# Altium PCB A33.PcbDoc (part 3 of 3)
Units mil, origin at the board's own origin, x right, y up, seen from the top; angles counter-clockwise.
Board outline 7899.31 x 8282.76 mil, 4 copper layers (TOP, GND02, PWR03, BOTTOM), stack 38.4 mil thick; 39 components, 64 nets, 546 pads, 403 vias.
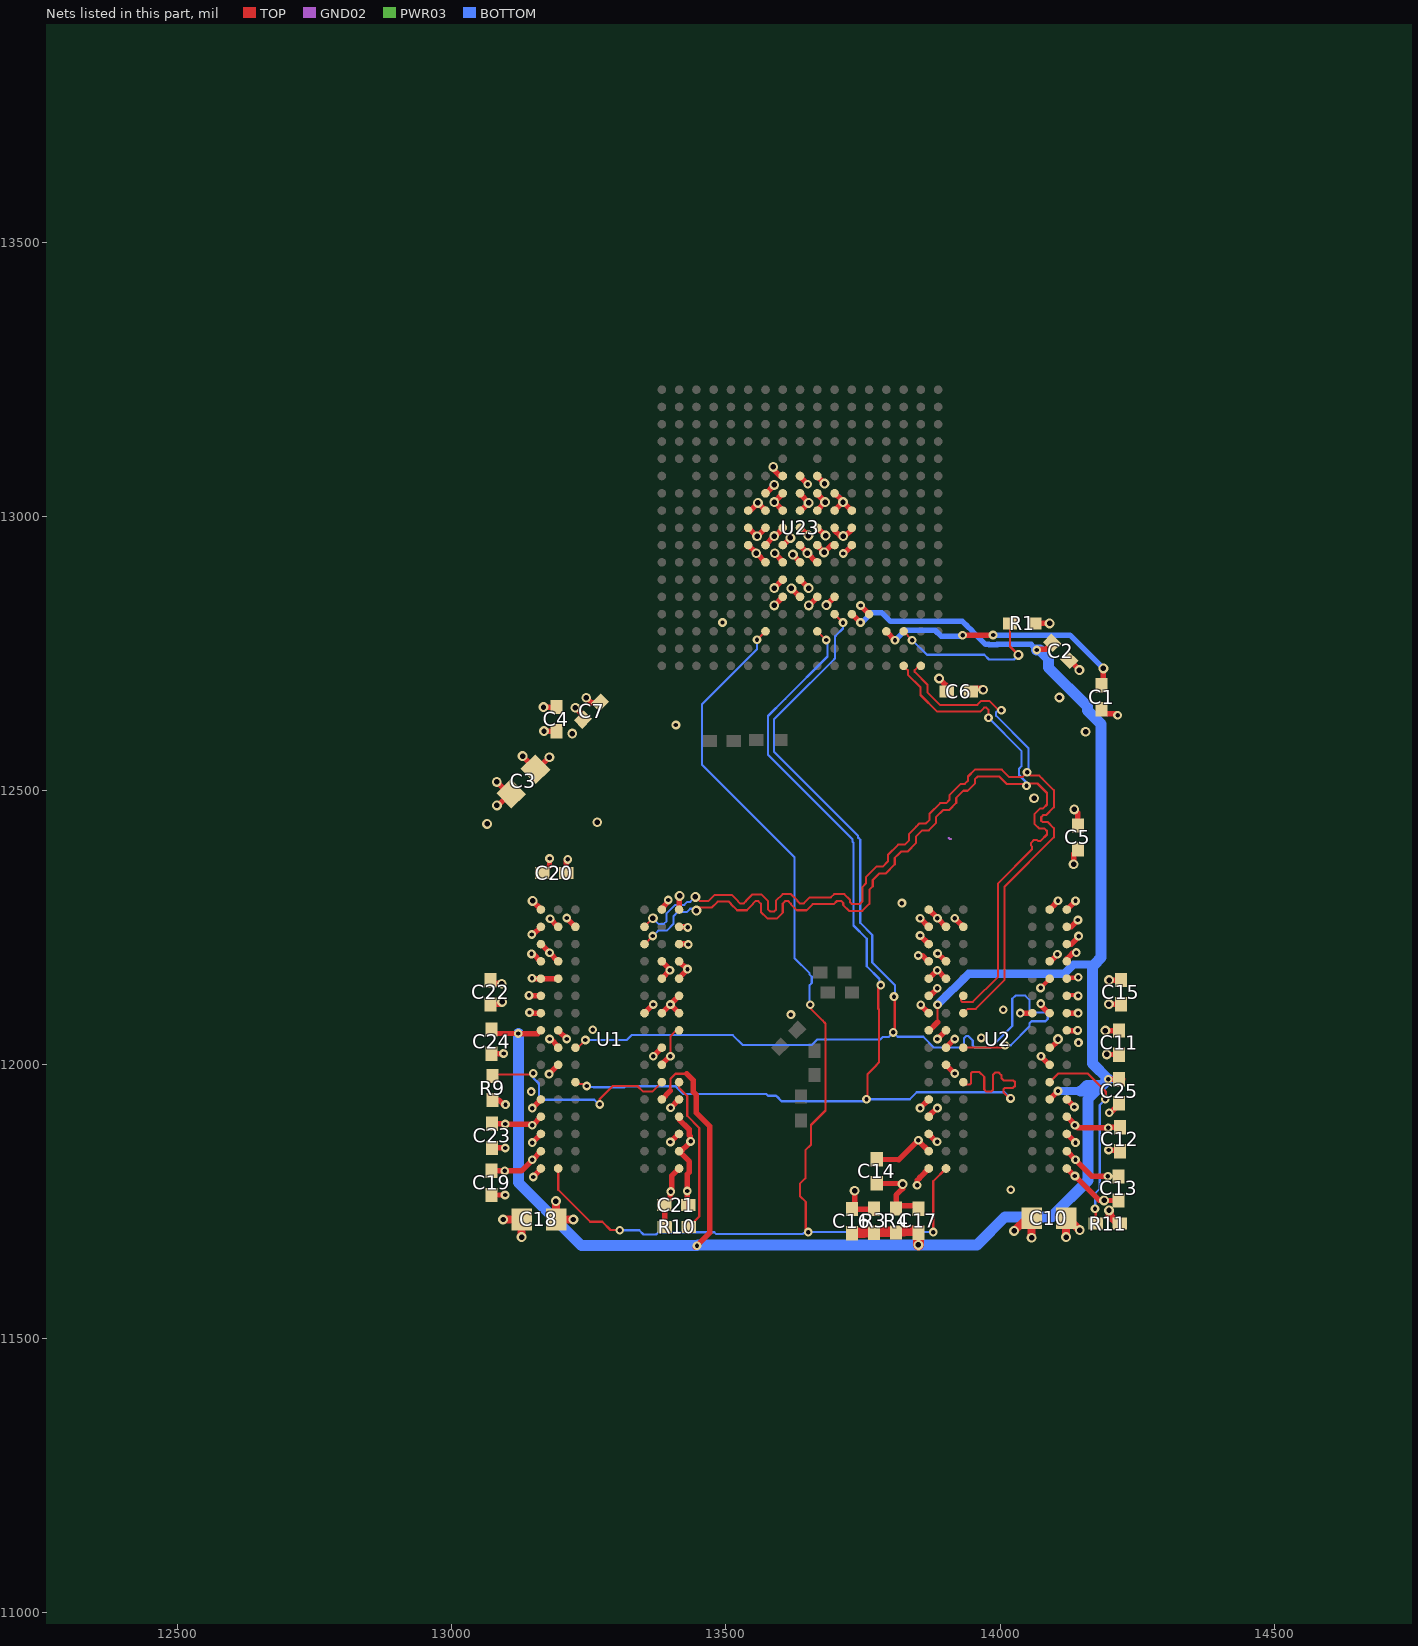
[diagram p5: the nets of this part, all layers, seen from the top]

## Via types
v1: diameter 16, hole 8, TOP to BOTTOM, 320 vias
v2: diameter 18, hole 10, TOP to BOTTOM, 83 vias

## Nets (pads, with @x,y where several pads share a name; then routed paths per layer and width w, separated by ;. In a path a pad name is that pad's centre, name@x,y a point inside that pad or via, vN(x,y) a via of type N, cw(c..) or ccw(c..) an arc to the next point about the centre after c; other vN are vias at no path point) (continued)
DQS1: U1.C7 U2.F3 U23.R1 | length 1918.8
  TOP w3.7: U1.C7@13351.35,12220.31 13351.83,12220.31 v1(13366.49,12234.98) ; v2(13445.89,12281.28) 13451.26,12286.66 13473.6,12286.66 13484.68,12297.74 13505.45,12297.74 13509.15,12294.04 13509.15,12293.05 13520.17,12282.03 13537.92,12282.03 13548.95,12293.05 13548.95,12294.04 13553.52,12298.61 13559.17,12298.61 13563.75,12294.04 13563.75,12285.95 13563.75,12278.89 13575.46,12267.18 13593.23,12267.18 13603.55,12277.5 13603.55,12294.04 13608.44,12298.93 13613.45,12298.93 13618.35,12294.04 13618.35,12293.05 13629.37,12282.03 13647.12,12282.03 13658.15,12293.05 13696.68,12293.05 13702.5,12298.86 13710.64,12298.86 13713.96,12295.54 13713.96,12291.37 13724.47,12280.86 13748.9,12280.86 13761.71,12293.67 13761.71,12319.62 13767.76,12325.67 13767.76,12337.2 13779.67,12349.11 13791.2,12349.11 13807.89,12365.81 13807.89,12377.71 13814.67,12384.48 13819.43,12389.24 13831.33,12389.24 13846.5,12404.41 13846.5,12416.32 13858.04,12427.85 13869.94,12427.85 13883.5,12441.41 13883.5,12452.46 13895.9,12464.85 13896.53,12464.85 13906.94,12464.85 13920.13,12478.04 13920.13,12486.95 13933.25,12500.07 13941.05,12500.07 13954.07,12513.09 13954.07,12520.89 13959.26,12526.08 13998.22,12526.08 14011.89,12512.41 14045.23,12512.41 v1(14048.31,12509.33) ; U23.R1@13824.04,12727.82 13831.65,12720.21 13831.65,12711.93 13854.82,12688.76 13854.82,12674.74 13885.19,12644.38 13963.97,12644.38 13971.2,12651.6 13975.07,12651.6 13978.89,12647.78 v1(13978.89,12633.06) ; U2.F3@13932.93,12125.83 13928.74,12121.64 13928.74,12117 13931.04,12114.7 13950.55,12114.7 13995.99,12160.14 13995.99,12330.56 14058.37,12392.94 14058.37,12398.18 14056.71,12399.84 14056.71,12405.07 14061.94,12410.31 14067.17,12410.31 14068.84,12408.64 14074.07,12408.64 14085.63,12420.2 14085.63,12426.63 14081.44,12430.82 14071.92,12430.82 14062.7,12440.04 14062.7,12457.28 14073.47,12468.05 14078.7,12468.05 14085.63,12474.98 14085.63,12496.02 14068.38,12513.26 14052.24,12513.26 v1(14048.31,12509.33) ; v1@14048.31,12508.28 v1(14048.31,12509.33)
  BOTTOM w3.7: v1(13366.49,12234.98) 13376.34,12244.83 13391.99,12244.83 13404.2,12257.03 13404.2,12271.17 13412.26,12279.24 13429.16,12279.24 13434.69,12284.77 13442.4,12284.77 v2(13445.89,12281.28) ; v1(13978.89,12633.06) 14039.06,12572.89 14039.06,12544.54 14034.55,12540.03 14034.55,12528.8 14048.31,12515.04 v1(14048.31,12509.33)
DQS1N: U1.B7 U2.G3 U23.T1 | length 1931.6
  TOP w3.7: U1.B7@13351.35,12251.81 13351.35,12252.48 13366.03,12267.16 13366.36,12267.16 v2(13366.65,12267.45) ; v2@13444.09,12306.48 13451.41,12299.16 13468.42,12299.16 13479.5,12310.24 13510.62,12310.24 13521.65,12299.22 13521.65,12298.23 13525.35,12294.53 13532.75,12294.53 13536.45,12298.23 13536.45,12299.22 13548.34,12311.11 13564.35,12311.11 13576.25,12299.21 13576.25,12284.07 13580.64,12279.68 13588.05,12279.68 13591.05,12282.67 13591.05,12299.22 13603.26,12311.43 13618.63,12311.43 13630.85,12299.22 13630.85,12298.23 13634.55,12294.53 13641.95,12294.53 13652.97,12305.55 13691.51,12305.55 13697.32,12311.36 13715.82,12311.36 13726.46,12300.72 13726.46,12296.55 13729.65,12293.36 13743.72,12293.36 13749.21,12298.84 13749.21,12324.8 13755.26,12330.85 13755.26,12336.08 13755.26,12342.38 13774.5,12361.61 13786.02,12361.61 13795.39,12370.98 13795.39,12382.89 13814.25,12401.74 13826.15,12401.74 13834,12409.59 13834,12421.49 13846.97,12434.46 13852.86,12440.35 13864.76,12440.35 13871,12446.59 13871,12457.63 13890.72,12477.35 13896.53,12477.35 13901.76,12477.35 13907.63,12483.22 13907.63,12492.13 13924.04,12508.54 13928.07,12512.57 13935.88,12512.57 13941.57,12518.26 13941.57,12526.07 13954.08,12538.58 14003.4,12538.58 14017.07,12524.91 14040.43,12524.91 v1(14049.4,12533.88) 14055.62,12527.65 14071.67,12527.65 14077.22,12522.1 14098.13,12501.19 14098.13,12469.8 14083.87,12455.55 14078.65,12455.55 14075.2,12452.1 14075.2,12445.22 14077.1,12443.32 14086.61,12443.32 14098.13,12431.81 14098.13,12415.02 14008.49,12325.38 14008.49,12154.96 13955.73,12102.2 13940.8,12102.2 U2.G3@13932.93,12094.33 ; U23.T1@13855.53,12727.82 13851.76,12727.82 13844.15,12720.21 13844.15,12717.11 13867.32,12693.94 13867.32,12679.92 13890.36,12656.88 13958.8,12656.88 13966.02,12664.1 13980.25,12664.1 13995.64,12648.71 14000.94,12648.71 v1(14002.55,12647.11)
  BOTTOM w3.7: v2(13366.65,12267.45) 13376.77,12257.33 13386.81,12257.33 13391.7,12262.21 13391.7,12276.35 13407.09,12291.74 13423.98,12291.74 13429.52,12297.27 13434.84,12297.27 v2(13444.04,12306.48) ; v1(14002.55,12647.11) 13996.25,12647.11 13992.74,12643.59 13992.74,12636.89 14051.56,12578.07 14051.56,12539.36 14049.4,12537.2 v1(14049.4,12533.88)
DRAS: U1.J3 U2.J3 U23.L4 | length 2126.7
  TOP w4: U1.J3@13225.37,12031.34 13229.53,12031.34 v1(13243.53,12045.34) ; U23.L4@13698.05,12822.31 v1(13713.52,12806.84) ; v1(13805.08,12059.16) 13805.08,12062.51 13807.84,12065.27 13807.84,12123.1 v1(13806.47,12124.47) ; U2.J3@13932.93,12031.34 14004.87,12031.35 v1(14009.18,12035.65)
  BOTTOM w4: v1(13243.53,12045.34) 13262.97,12045.34 13263.1,12045.47 13318.79,12045.47 13327.53,12054.21 13512.48,12054.21 13530.43,12036.26 13656.65,12036.26 13666.53,12046.14 13781.2,12046.14 13785.56,12050.5 13796.41,12050.5 v1(13805.08,12059.16) 13813.15,12051.09 13859.74,12051.09 13879.48,12031.35 13930.17,12031.35 13934.17,12035.35 13934.17,12048.67 13938.17,12052.67 13941.88,12052.67 13950.17,12044.38 13950.17,12035.35 13954.17,12031.35 13982.71,12031.35 14022.29,12070.93 14022.29,12120.42 14028.08,12126.22 14045.89,12126.22 14053.51,12118.59 14053.51,12099.44 14057.51,12095.44 14082.89,12095.44 14086.89,12091.44 14086.89,12083.44 14082.89,12079.44 14057.51,12079.44 14053.51,12075.44 14053.51,12069.76 14019.41,12035.65 v1(14009.18,12035.65) ; v1(13713.52,12806.84) 13713.52,12796.19 13700.23,12782.9 13700.23,12782.73 13699.06,12781.55 13699.06,12777.32 13698.83,12777.09 13698.83,12741.62 13697.36,12740.16 13697.36,12740.11 13612.92,12655.66 13612.87,12655.66 13587.63,12630.43 13587.63,12571.22 13740.79,12418.06 13740.79,12414.64 13744.79,12410.64 13744.79,12259.08 13767.01,12236.86 13767.01,12186.52 13808.44,12145.09 13808.44,12127.53 13807,12126.09 13807,12125 v1(13806.47,12124.47)
DRST: U1.T2 U2.T2 U23.G3 | length 2154.7
  TOP w4: U1.T2@13193.87,11810.86 13193.87,11772.13 13252.38,11713.62 13274.28,11713.62 13289.16,11698.74 13305.61,11698.74 v1(13306.24,11698.11) ; v1@13557.75,12775.34 v1(13556.6,12775.34) U23.G3@13572.07,12790.81 ; v1(13649.95,11694.8) 13645.61,11699.14 13645.61,11749.96 13634.76,11760.81 13634.76,11782.8 13644.84,11792.88 13644.84,11844.1 13655.19,11854.45 13655.19,11890.19 13681.49,11916.49 13681.49,12074.98 13680.77,12075.7 13680.77,12076.25 13676.77,12080.25 13676.77,12080.53 13654.77,12102.53 13654.77,12105.11 13653.82,12106.06 v1(13653.82,12109.68) ; v1(13878.28,11694.8) 13878.28,11787.72 U2.T2@13901.43,11810.87
  BOTTOM w4: v1(13306.24,11698.11) 13341.76,11698.11 13349.57,11690.3 13372.38,11690.3 13376.66,11694.58 13478.61,11694.58 13482.04,11691.15 13640.09,11691.15 13641.9,11692.96 13648.11,11692.96 v1(13649.95,11694.8) v1(13878.28,11694.8) ; v1(13556.6,12775.34) 13556.6,12758.45 13456.19,12658.04 13456.19,12547.64 13624.79,12379.03 13624.79,12194.88 13652.6,12167.08 13652.6,12164.55 13656.44,12160.71 13656.44,12149.11 13652.6,12145.27 13652.6,12110.91 v1(13653.82,12109.68)
DVREF: C2.2 C16.1 C17.2 C24.2 C25.2 R3.1 R4.2 U1.H1 U1.M8 U2.H1 U2.M8 U23.M4 | length 4210.7
  TOP w4: U1.M8@13382.85,11936.85 13382.85,11936.99 13398.28,11952.42 13398.28,11961.89 13398.87,11962.48 13398.87,11974.75 13407.94,11983.82 13428.18,11983.82 ; U23.M4@13729.55,12822.31 13744.59,12807.27 v1@13745.16,12807.27 ; R3.1@13769.95,11693.57 13810.14,11698.57 R4.2@13810.48,11693.91 13850.67,11698.91 C17.2@13851.01,11693.57 ; U2.H1@13869.94,12062.84 13884.77,12077.67 13886.03,12077.67 v1(13886.03,12109.67)
  TOP w10: C24.2@13072.35,12064.25 13079.44,12057.16 v1(13121.03,12057.16) 13121.46,12056.73 13156.27,12056.73 U1.H1@13162.38,12062.83 ; U1.M8@13382.85,11936.85 13398.28,11952.27 13398.28,11952.42 ; 13428.18,11983.82 13439.85,11972.15 13439.85,11950.88 13440.53,11950.2 13446.1,11944.62 13446.1,11912.17 13470.73,11887.53 13470.73,11693.69 v1(13447.03,11669.98) v1@13443.78,11666.74 ; U23.M4@13729.55,12822.31 13730.12,12822.31 13745.16,12807.27 v1(13745.49,12806.94) ; U2.H1@13869.94,12062.84 13871.2,12062.84 13886.03,12077.67 ; v1(14066.81,12756.87) 14068.34,12758.4 14083.56,12758.4 C2.2@14094.94,12769.78 ; U2.M8@14090.41,11936.85 v1(14105.72,11952.17) ; v1(14197.47,11973.71) 14223.9,11973.71 C25.2@14217.33,11973.85
  TOP w20: C16.1@13729.74,11692.88 13850.33,11697.88 C17.2@13851.01,11693.57 v2(13851.01,11671.57)
  BOTTOM w10: v1(13745.49,12806.94) 13748.05,12806.94 13765.67,12824.57 13784.54,12824.57 13800.23,12808.87 13931.51,12808.87 13938.63,12801.75 13939.15,12801.75 13949.69,12791.21 13949.69,12790.69 13973.46,12766.92 13979.19,12766.92 13979.85,12766.26 13994.68,12766.26 13995.34,12766.92 14056.76,12766.92 v1(14066.81,12756.87)
  BOTTOM w15: v1(13886.03,12109.67) 13942.47,12166.11 14116.84,12166.11 14133.89,12183.16 14172.04,12183.16 ; v1(14105.72,11952.17) 14146.42,11952.17 ; v1(14197.47,11973.71) v1@14197.47,11975.34
  BOTTOM w20: 13121.03,11882.57 13121.03,11785.61 13236.66,11669.98 v1(13447.03,11669.98) 13448.51,11671.46 v2@13851.12,11671.46 ; 13121.04,11882.58 13121.04,11901.56 v1(13121.03,12057.16) ; v2(13851.01,11671.57) v2@13851.12,11671.46 ; v1(14066.81,12756.87) 14072.63,12756.87 14088.59,12740.9 14088.59,12724.5 14159.5,12653.6 14159.5,12646.6 14184.55,12621.55 14184.55,12195.67 14172.04,12183.16 14168.88,12180 14168.88,12002.3 v1(14197.47,11973.71) 14186.01,11962.26 ; 14146.42,11952.17 14148.64,11952.17 14158.73,11962.26 14186.01,11962.26 ; v2@13851.12,11671.46 13957.99,11671.46 14009.29,11722.77 14094.21,11722.77 14160.64,11789.19 14160.64,11938.04 14184.36,11961.76 14185.52,11961.76 14186.01,11962.26
DWE: U1.L3 U2.L3 U23.K3 | length 2066.5
  TOP w4: v1(13245.76,11961.28) 13244.78,11962.25 13243.75,11962.25 13243.05,11962.95 13242.47,11962.95 13240.54,11964.89 13228.83,11964.89 U1.L3@13227.55,11966.17 ; U23.K3@13666.56,12790.81 13680.83,12776.54 13681.27,12776.54 v1(13682.81,12775) ; v1(13756.27,11937.19) 13758.22,11939.14 13758.22,11983.07 13774.87,11999.73 13774.87,12000.36 13779.2,12004.68 13779.2,12100.81 13777.93,12102.08 13777.93,12141.21 v1(13782.24,12145.52) ; U2.L3@13932.93,11968.35 13937.1,11964.18 13944.56,11964.18 13946.97,11966.58 13946.97,11984.56 13949.31,11986.89 13962.24,11986.89 13971.16,11977.97 13971.16,11954.94 13975.02,11951.08 13983.47,11951.08 13987.16,11954.77 13987.16,11981.82 13991.16,11985.82 13997.78,11985.82 14002.39,11981.21 14002.39,11975.86 14006.88,11971.38 14024.31,11971.38 14027.14,11968.55 14027.14,11961.45 14023.34,11957.66 14008.6,11957.66 14006.5,11955.55 14006.5,11949.52 14017.23,11938.8 v1@14019.22,11938.8 ; v1@14019.23,11938.79 v1(14019.3,11938.79) ; U1.L3@13227.55,11966.17 U1.L3@13225.37,11968.34 U1.L3@13227.55,11966.17
  BOTTOM w4: v1(13245.76,11961.28) 13246.74,11961.28 13248.59,11959.42 13258.02,11959.42 13258.2,11959.25 13314.58,11959.25 13316.07,11960.74 13407.73,11960.74 13421.52,11946.95 13573,11946.95 13576.5,11943.45 13591.2,11943.45 13592.6,11942.05 13593.02,11942.05 13601.37,11933.7 13624.56,11933.7 13624.98,11934.12 13644.87,11934.12 13645.29,11933.7 13752.78,11933.7 v1(13756.27,11937.19) 13835.24,11937.19 13848.11,11950.07 14008.02,11950.07 v1(14019.3,11938.79) ; v1(13682.81,12775) 13685.36,12772.45 13685.36,12745.08 13607.95,12667.66 13607.9,12667.66 13576.65,12636.42 13576.65,12625.11 13576.41,12624.88 13576.41,12566.16 13730.79,12411.78 13730.79,12407 13732.79,12405 13732.79,12254.11 13756.97,12229.93 13756.97,12179.59 13780.07,12156.48 13780.07,12147.69 v1(13782.24,12145.52)
DZQ: R1.2 U23.R3 | length 298.4
  TOP w3.7: U23.R3@13824.04,12790.81 13839.21,12775.64 13839.21,12775.07 v1(13839.58,12774.7)
  TOP w4: R1.2@14018.23,12805.45 14018.23,12763.23 v2(14033.58,12747.88)
  BOTTOM w4: v1(13839.58,12774.7) 13839.98,12774.7 13866.67,12748.01 13971.4,12748.01 13979.77,12739.64 14025.35,12739.64 v2(14033.58,12747.88)
GND: C1.1 C2.1 C3.1 C4.1 C5.1 C6.1 C7.1 C10.1 C11.1 C12.1 C13.2 C14.2 C15.2 C17.1 C18.1 C19.1 C20.1 C21.2 C22.2 C23.2 C24.1 C25.1 R1.1 R4.1 R9.1 R10.1 R11.1 U1.A9 U1.B1 U1.B3 U1.B9 U1.D1 U1.D8 U1.E1 U1.E2 U1.E8 U1.F9 U1.G1 U1.G8 U1.G9 U1.J2 U1.J8 U1.M1 U1.M9 U1.P1 U1.P9 U1.T1 U1.T9 U2.A9 U2.B1 U2.B3 U2.B9 U2.D1 U2.D8 U2.E1 U2.E2 U2.E8 U2.F9 U2.G1 U2.G8 U2.G9 U2.J2 U2.J8 U2.M1 U2.M9 U2.P1 U2.P9 U2.T1 U2.T9 U23.F8 U23.F9 U23.F10 U23.G7 U23.G8 U23.G9 U23.G10 U23.G11 U23.H7 U23.H8 U23.H9 U23.H10 U23.H11 U23.H12 U23.J7 U23.J8 U23.J9 U23.J10 U23.J11 U23.J12 U23.K7 U23.K8 U23.K9 U23.K10 U23.K11 U23.K12 U23.L8 U23.L9 U23.L10 U23.L11 U23.M8 U23.M9 U23.M10 U23.N4 | length 3159.8
  TOP w3.7: v1(13745.53,12837.94) 13745.53,12837.59 13760.81,12822.31 U23.N4@13761.04,12822.31
  TOP w4: v1(13146.63,11858.12) U1.P1@13162.38,11873.86 ; v1@13148.18,12094.33 U1.G1@13162.38,12094.33 ; v1(13178.13,12047.09) U1.J2@13193.87,12031.34 U1.J2@13193.87,12033.75 ; v1(13367.1,12015.6) U1.J8@13382.85,12031.34 ; U1.G8@13382.85,12094.33 v1(13398.59,12110.08) ; 13400.84,11797.36 U1.T9@13414.35,11810.86 ; U1.M9@13412.91,11935.42 U1.M9@13414.35,11936.85 ; U23.F9@13540.57,12979.79 U23.F9@13541.13,12979.79 ; U23.F10@13544.51,13011.29 13545.27,13011.29 v2@13558.31,13024.33 ; v2(13558.31,13025.1) v2@13558.31,13024.33 ; U23.G10@13572.07,13011.29 13569.54,13011.29 13558.31,13022.51 v2@13558.31,13024.33 ; v2(13588.09,13026.76) 13603.56,13042.23 U23.H11@13603.56,13042.78 ; U23.J8@13635.06,12947.19 U23.J8@13635.06,12948.3 ; U23.J9@13635.06,12979.79 U23.J9@13636.2,12979.79 ; U23.J11@13635.06,13042.78 13635.06,13040.9 U23.J11@13636.56,13039.4 ; U23.K12@13666.56,13073.5 U23.K12@13666.56,13074.28 ; v1(13848.63,11780.27) 13851.79,11783.43 13851.79,11792.72 13853.6,11794.53 ; 13853.6,11793.94 13869.94,11810.28 U2.T1@13869.94,11810.87 ; v1@13856.81,12107.46 U2.G1@13869.94,12094.33 ; U2.E1@13869.94,12157.33 U2.E1@13870.2,12157.33 ; U2.D8@14090.41,12188.82 U2.D8@14091.83,12188.82 ; U2.T9@14121.9,11810.87 14122.83,11810.87 v1(14136.53,11797.17) ; U2.P9@14121.9,11873.86 v1(14137.64,11858.12) ; U2.F9@14121.9,12125.83 U2.F9@14125.79,12125.83 ; R11.1@14214.88,11710.53 14214.98,11710.43 R11.1@14218.47,11710.43 ; U1.P9@13413.29,11873.86 U1.P9@13414.35,11873.86 U1.P9@13413.29,11873.86
  TOP w8: v1(14073.96,12140.3) 14090.41,12156.74 U2.E8@14090.41,12157.33 ; U2.F9@14121.9,12125.83 U2.F9@14125.78,12125.82 ; U2.F9@14125.79,12125.83 14127.37,12127.41 14140.79,12127.41 v1(14142.38,12125.82)
  TOP w10: C22.2@13070.7,12110.27 13086.33,12110.27 13090.73,12114.67 v2(13091.44,12114.67) ; C24.1@13072.35,12020.25 13093.89,12020.25 v1(13094.24,12020.59) ; C19.1@13072.42,11762.51 v1(13097.02,11762.51) ; C23.2@13073.14,11848.3 v1(13097.14,11848.3) ; R9.1@13073.82,11935.62 13085.57,11935.62 13093.7,11927.48 v1(13097.82,11927.48) ; v2(13128.76,12563.17) 13130.29,12561.64 13130.29,12561.5 C3.1@13152.48,12539.26 C3.1@13152.48,12539.26 13154.94,12539.26 13176.74,12561.05 v2(13177.7,12561.05) ; v1(13141.54,12095.52) 13146.99,12095.52 13148.17,12094.34 U1.G1@13162.38,12094.33 ; v1(13145.2,12202.35) 13146.63,12202.35 13147.76,12201.22 13149.37,12201.22 13161.77,12188.82 U1.D1@13162.38,12188.82 ; v1(13145.66,12237.71) 13148.28,12237.71 U1.B1@13162.38,12251.81 ; v1(13146.01,12158.15) 13146.78,12157.38 U1.E1@13162.43,12157.38 ; v1(13146.63,11858.12) U1.P1@13162.38,11873.86 ; v1(13146.63,11921.12) U1.M1@13162.38,11936.85 ; v1(13148.34,11795.42) 13149.55,11796.62 13149.55,11796.74 13162.38,11809.57 U1.T1@13162.38,11810.86 ; U1.E1@13162.38,12157.32 U1.E1@13162.43,12157.38 ; C20.1@13164.65,12349.73 13178,12363.08 13178,12376.37 v1(13178.12,12376.5) ; v2(13167.03,12652.78) C4.1@13190.73,12652.78 ; v1(13178.13,12047.09) 13180.53,12047.09 U1.J2@13193.87,12033.75 ; U1.E2@13193.87,12157.32 13184.73,12157.32 13184.67,12157.38 U1.E1@13162.43,12157.38 ; v1(13209.41,12267.91) 13209.41,12267.7 13225.3,12251.81 U1.B3@13225.37,12251.81 ; v2(13225.37,12651.51) 13239.07,12637.81 C7.1@13239.07,12629.85 ; v1(13367.1,12015.6) U1.J8@13382.85,12031.34 ; U1.G8@13382.85,12094.33 13406.51,12117.99 ; U1.E8@13382.85,12157.32 13382.85,12157.8 v1(13397.65,12172.6) ; U1.D8@13382.85,12188.82 13397.65,12174.02 v1(13397.65,12172.6) ; C21.2@13387.87,11744.1 13398.59,11754.83 13398.59,11755.45 ; R10.1@13388.09,11704.12 13388.09,11743.46 C21.2@13387.35,11744.2 13398.59,11755.45 ; v1@13397.09,12172.6 v1(13397.65,12172.6) ; v1(13398.59,11859.16) U1.P9@13413.29,11873.86 ; v1@13399.72,11923.36 13399.72,11922.33 v1(13398.88,11921.49) 13398.99,11921.49 U1.M9@13412.91,11935.42 ; U1.G9@13414.35,12094.33 v1(13398.59,12110.08) 13406.51,12118 ; U1.F9@13414.35,12125.82 13406.51,12118 ; U1.B9@13414.35,12251.81 13427.11,12251.81 13428.18,12250.74 v1(13430.36,12250.74) ; U1.A9@13414.35,12283.31 13414.35,12305.11 13415.36,12306.13 13415.36,12308.14 v2(13415.45,12308.24) ; U1.T9@13415.14,11811.67 U1.T9@13414.35,11810.86 13400.84,11797.37 13400.84,11770.46 v1(13399.09,11768.71) 13399.09,11763.92 13398.59,11763.42 13398.59,11755.45 ; U23.F8@13540.57,12948.3 13540.57,12948.18 v2(13555.29,12933.46) 13571.95,12916.8 U23.G7@13572.07,12916.8 ; U23.F10@13540.57,13011.29 13544.51,13011.29 v2(13558.31,13025.1) U23.G10@13572.07,13011.29 U23.G10@13572.07,13011.29 ; U23.F9@13541.13,12979.79 v2(13556.6,12964.32) U23.G9@13572.07,12979.79 ; U23.G8@13572.07,12948.3 13572.07,12948.71 v2(13587.94,12964.58) 13589.21,12964.58 13590.3,12965.68 13591.07,12965.68 13603.56,12978.17 U23.H9@13603.56,12979.79 ; U23.G11@13572.07,13042.78 13572.77,13042.78 v2(13588.06,13058.08) ; v2(13586.16,13091.01) 13586.16,13086.95 13598.84,13074.28 U23.H12@13603.56,13074.28 ; v2(13589.02,12933.27) 13603.56,12918.72 U23.H7@13603.56,12916.8 ; U23.H8@13603.56,12948.3 13604.54,12948.3 v2(13617.6,12961.36) ; U23.H10@13603.56,13011.29 v2(13588.09,13026.76) 13603.56,13042.23 U23.H11@13603.56,13042.78 ; v2(13622,12930.84) 13635.06,12917.78 U23.J7@13635.06,12916.8 ; U23.J8@13634.3,12948.73 13634.3,12947.95 13635.06,12947.19 v2(13648.61,12933.65) 13665.45,12916.8 U23.K7@13666.56,12916.8 ; U23.J10@13635.06,13011.29 13637.05,13011.29 v2(13650.86,13025.1) ; U23.J12@13635.06,13074.28 13635.06,13073.5 v1(13649.36,13059.2) ; U23.J9@13636.18,12980.59 13636.18,12979.81 v2(13650.48,12965.51) ; U23.K8@13664.67,12950.04 13664.67,12949.26 U23.K8@13666.56,12947.37 ; U23.K12@13665.42,13075.41 13665.42,13074.63 13666.56,13073.5 v2(13679.72,13060.33) ; U23.K8@13666.56,12948.3 U23.K8@13666.56,12947.37 ; U23.K9@13666.56,12979.79 U23.K9@13667.31,12979.79 ; U23.K10@13666.56,13011.29 13666.56,13012.3 v2(13680.84,13026.59) ; U23.K11@13666.56,13042.78 U23.K11@13666.56,13040.88 ; U23.K9@13667.3,12980.59 U23.K9@13667.3,12979.81 ; v2(13681.6,12965.51) U23.K9@13667.31,12979.79 ; U23.L8@13698.05,12948.3 13692.31,12948.3 v2(13678.97,12934.95) U23.K8@13666.56,12947.37 ; U23.L9@13698.05,12979.79 13698.05,12975.29 13708.67,12964.67 v2(13713.99,12964.67) 13717.12,12964.67 13729.55,12977.1 U23.M9@13729.55,12979.79 ; U23.L10@13698.05,13011.29 13698.05,13011.37 13711.58,13024.9 v2(13713.47,13026.8) ; U23.L11@13698.05,13042.78 13698.95,13042.78 13711.58,13030.15 13711.58,13028.69 v2(13713.47,13026.8) ; v1(13714.03,12932.89) 13715,12932.89 13729.55,12947.43 U23.M8@13729.55,12948.3 ; U23.M10@13729.55,13011.29 13728.98,13011.29 v2(13713.47,13026.8) ; v1(13745.53,12837.94) 13761.04,12822.42 U23.N4@13761.04,12822.31 ; C14.2@13775.06,11783.81 13821.4,11783.03 v2(13822.12,11782.32) 13822.12,11782.24 13822.2,11782.16 13822.2,11774.07 13810.48,11762.35 R4.1@13810.48,11737.91 13814.8,11742.23 13820.3,11742.91 13845.67,11742.91 C17.1@13851.01,11737.57 ; v1(13848.63,11780.27) 13848.63,11788.97 13853.6,11793.94 13853.6,11794.53 U2.T1@13869.94,11810.87 ; v1(13850.84,12199.47) 13858.16,12199.47 13868.81,12188.82 U2.D1@13869.94,12188.82 ; v1(13854.19,11921.12) U2.M1@13869.94,11936.85 ; v1(13854.2,12267.56) U2.B1@13869.94,12251.81 ; v1(13855.47,12109.38) 13856.81,12108.05 13856.81,12107.47 U2.G1@13869.94,12094.33 ; U2.P1@13869.94,11873.86 13882.37,11861.44 13883.25,11861.44 v1(13885.14,11859.55) ; U2.E1@13869.94,12157.33 13870.2,12157.33 v1(13885.53,12172.66) ; v1@13882.48,12173.07 13882.9,12172.66 v1(13885.53,12172.66) ; U2.J2@13901.43,12031.34 v1(13917.17,12047.09) ; U2.E2@13901.43,12157.33 13900.86,12157.33 v1(13885.53,12172.66) ; v1(13917.19,12267.56) U2.B3@13932.93,12251.81 ; C6.1@13946.63,12680.77 13952.54,12686.69 13966.45,12686.69 v2(13968.93,12684.2) ; R1.1@14062.23,12805.45 v2(14090.46,12805.45) ; v1(14074.29,12111.72) 14074.29,12108.39 14088.36,12094.33 U2.G8@14090.41,12094.33 ; U2.D8@14090.41,12188.82 14091.83,12188.83 v1(14104.59,12201.59) ; U2.J8@14091.29,12031.35 14090.41,12031.35 14093.15,12031.34 14105.68,12043.87 v2(14105.75,12046.93) v2(14105.75,12046.93) ; U2.T9@14121.9,11810.87 14135.6,11797.17 v1(14136.53,11797.17) 14181.04,11752.65 v2(14189.91,11752.59) C13.2@14216.52,11752.39 ; U2.P9@14121.9,11873.86 v1(14137.64,11858.12) ; U2.M9@14121.9,11936.85 v1(14135.72,11923.01) ; U2.G9@14121.9,12094.33 v1(14142.38,12094.33) ; U2.B9@14121.9,12251.81 14129.66,12251.81 v1(14142.05,12264.2) ; U2.A9@14121.9,12283.31 v1(14137.65,12299.05) ; C2.1@14126.05,12738.67 14126.49,12738.67 v2(14144.89,12720.27) ; v2(14134.15,12365.87) 14134.15,12384.99 14141.93,12392.77 C5.1@14141.93,12392.87 ; C1.1@14185.25,12648.55 14193.44,12640.36 14211.77,12640.36 v1(14214.54,12637.59) ; v2(14192.37,12062.59) C11.1@14217.37,12062.59 ; v1(14198.12,11844.52) 14221.67,11844.52 C12.1@14218.69,11842.32 ; v2(14198.62,12110.68) C15.2@14220.62,12110.68 ; v1(14199.22,11912.41) 14201.06,11912.41 14218.5,11929.85 C25.1@14217.33,11929.85 ; v2(13650.86,13025.1) 13636.56,13039.4 13636.56,13040.18 13650.86,13025.87 v2(13650.86,13025.1) ; U23.K11@13666.56,13040.88 v2(13680.84,13026.59) ; U23.K11@13666.54,13040.9 13666.54,13041.68 13680.84,13027.37 v2(13680.84,13026.59)
  TOP w15: v2(13189.81,11751.43) 13189.99,11751.25 C18.1@13189.99,11717.8 v2(13221.65,11717.8) ; v2(14120.53,11685.81) C10.1@14120.53,11720.11 14123.61,11720.11 v2(14145.38,11698.34) ; v2(14198.78,11734.32) 14200,11733.1 14200,11725.42 14214.88,11710.53 R11.1@14214.88,11710.43
  GND02 w4: 13906.33,12413.61 13907.72,12412.22 13909.99,12412.22
  PWR03 w3.7: v1(13714.03,12932.89) v1@13715.23,12932.89
  BOTTOM w4: v2@13583.52,13055.53 13585.52,13055.53 v2(13588.06,13058.08) ; 13707.49,13038.24 13711.58,13031.71 13711.58,13028.69 v2(13713.47,13026.8)
  BOTTOM w8: v2@13583.52,13055.53 13583.23,13054.64 v2@13587.29,13057.6
  BOTTOM w15: v2@13587.29,13057.6 13586.84,13058.25 v2@13588.09,13058.25
  other v1: 14019.41,11772.05 13144.85,11951.09 14143.1,12040.52 13965.53,12049.17 13257.02,12063.79 13618.36,12091.69 14005.83,12100.41 13821,12295.04 13408.57,12619.98 13493.53,12806.92
  other v2: 13064.01,12439.46 13265.23,12442.61 14062.2,12486.32 13219.62,12604.18 14155.97,12607.76 14108.17,12670.2
N17523254: R11.2 U2.L8 | length 372.3
  TOP w4: U2.L8@14090.41,11968.35 14106.23,11984.17 14160.23,11984.17 14192.93,11951.47 14192.93,11937.76 v1(14192.15,11936.98) ; v1(14173.28,11737.53) 14174.47,11736.33 R11.2@14174.47,11710.43
  BOTTOM w4: v1(14173.28,11737.53) 14173.55,11737.81 14173.55,11765.56 14181.88,11773.89 14181.88,11926.76 v1@14192.11,11936.98
N18071026: R9.2 U1.L8 | length 386.8
  TOP w4: R9.2@13073.82,11979.62 13078.61,11982.37 13146.28,11982.37 v1(13148.33,11984.4) ; v1(13269.54,11927.73) 13269.54,11937.77 13293.13,11961.36 13338.72,11961.36 13349,11951.08 13365.59,11951.08 U1.L8@13382.85,11968.34
  BOTTOM w4: v1@13144.53,11984.63 13148.1,11984.63 v1(13148.33,11984.4) 13148.53,11984.19 13148.53,11976.1 13158.85,11965.79 13158.85,11943.8 13166.48,11936.17 13259.66,11936.17 13267.18,11928.65 13267.4,11928.65 13268.32,11927.73 v1(13269.54,11927.73)
N18071159: R10.2 U1.L9 | length 287.5
  TOP w4: U1.L9@13414.35,11968.34 13414.35,11958.01 13427.53,11944.82 13427.53,11944.7 13429.22,11943.01 13429.22,11928.08 ; 13429.23,11928.06 13429.23,11906.95 13451.35,11884.84 13451.35,11723.38 R10.2@13432.09,11704.12
VCC-DRAM: C3.2 C4.2 C5.2 C6.2 C7.2 C10.2 C11.2 C12.2 C13.1 C14.1 C15.1 C16.2 C18.2 C19.2 C20.2 C21.1 C22.1 C23.1 R3.2 U1.A1 U1.A8 U1.B2 U1.C1 U1.C9 U1.D2 U1.D9 U1.E9 U1.F1 U1.G7 U1.H2 U1.H9 U1.K2 U1.K8 U1.N1 U1.N9 U1.R1 U1.R9 U2.A1 U2.A8 U2.B2 U2.C1 U2.C9 U2.D2 U2.D9 U2.E9 U2.F1 U2.G7 U2.H2 U2.H9 U2.K2 U2.K8 U2.N1 U2.N9 U2.R1 U2.R9 U23.H5 U23.H6 U23.J5 U23.J6 U23.K5 U23.L5 | length 2370.4
  TOP w4: v1(13140.53,12126.66) 13141.36,12125.82 U1.F1@13162.38,12125.82 ; v1(13146.63,11826.62) U1.R1@13162.38,11842.36 ; v1(13177.19,11983.05) 13193.87,11999.73 U1.K2@13193.87,11999.84 ; U1.H2@13193.87,12062.83 v1(13209.61,12047.09) ; v1(13367.09,12110.08) U1.G7@13351.35,12094.33 v1(13367.09,12110.08) ; U1.K8@13382.85,12001.22 13382.85,11999.85 v1(13398.59,12015.59) 13398.73,12015.73 13398.73,12052.32 13409.25,12062.83 U1.H9@13414.35,12062.83 ; U1.E9@13414.35,12157.32 13429.71,12172.69 v1(13429.71,12174.69) ; U1.R9@13420.12,11844.29 13418.19,11842.36 U1.R9@13414.35,11842.36 13414.73,11842.36 13425.49,11853.13 13428.96,11853.13 ; v1@13428.5,12174.67 13426.5,12174.67 13414.35,12186.82 U1.D9@13414.35,12188.82 13428.47,12174.69 v1@13429.23,12174.69 ; v1@13428.96,12174.67 13429.21,12174.42 v1@13429.45,12174.42 ; v1(13851,11862.59) 13854.19,11859.4 13854.19,11858.11 U2.R1@13869.94,11842.36 ; v1(13885.68,12047.09) U2.H2@13901.43,12062.84 ; U2.D2@13898.23,12191.03 13900.44,12188.82 U2.D2@13901.43,12188.82 ; U2.R9@14121.9,11842.36 v1(14137.64,11826.62) ; U2.E9@14121.9,12157.33 14123.63,12157.33 U2.E9@14125.45,12159.15 ; U2.D9@14121.9,12188.82 U2.D9@14121.9,12193.47 ; v1(14196.78,11796.65) 14197.04,11796.39 C13.1@14216.52,11796.39
  TOP w8: U2.E9@14125.45,12159.15 14138.73,12159.15 14138.88,12159.3 14139.81,12159.3 14140.09,12159.58 v1(14142.66,12159.58)
  TOP w10: C22.1@13070.7,12154.27 13075.76,12149.22 13089.63,12149.22 v2(13090.83,12148.01) ; C19.2@13072.42,11806.51 C19.2@13082.41,11806.51 ; C23.1@13073.14,11892.3 13074.83,11892.07 v1(13097.14,11892.07) 13098.14,11892.07 13099.06,11891.15 13145.1,11891.15 v1(13146.63,11889.62) U1.N1@13162.38,11905.35 ; v2(13081.72,12516.14) 13082.38,12516.14 13103.81,12494.71 C3.2@13104.99,12494.71 ; v2(13081.89,12473.42) 13083.71,12473.42 C3.2@13104.99,12494.71 ; C19.2@13082.44,11806.49 v1(13096.42,11806.49) 13126.49,11806.49 v1(13146.63,11826.62) U1.R1@13162.38,11842.36 ; C3.2@13107.93,12494.71 C3.2@13104.99,12494.71 ; v1(13140.53,12126.66) 13139.82,12125.94 13147.98,12125.94 13148.09,12125.83 U1.F1@13162.38,12125.82 ; v2(13147.11,12298.97) 13147.26,12298.97 13162.38,12283.85 U1.A1@13162.38,12283.31 ; U1.C1@13162.38,12220.31 v1(13178.12,12204.57) U1.D2@13193.87,12188.82 ; v2(13167.94,12608.78) C4.2@13190.73,12608.78 ; v1(13177.19,11983.05) 13177.19,11983.16 U1.K2@13193.87,11999.84 ; v1(13179.01,12266.67) U1.B2@13193.87,12251.81 ; U1.H2@13193.87,12062.83 v1(13209.61,12047.09) ; C20.2@13208.65,12349.73 13208.65,12371.9 v1(13211.47,12374.73) ; v2(13245.06,12669.75) 13253.84,12660.97 C7.2@13270.19,12660.97 ; U1.G7@13351.35,12094.33 v1(13367.09,12110.08) ; U1.K8@13382.85,12001.22 13397.22,12015.59 v1(13398.59,12015.59) ; U1.A8@13382.85,12283.31 13382.85,12285.67 13392.98,12295.8 13392.98,12298.66 13394.8,12300.48 v1(13394.8,12300.65) ; U1.N9@13414.35,11905.35 13414.35,11900.63 13432.53,11882.45 13432.53,11871.79 13434.57,11869.76 13434.57,11861.67 13435.42,11860.81 v1(13435.42,11860.3) ; U1.E9@13414.35,12157.32 13414.35,12158.51 13429.21,12173.38 13429.21,12174.42 v1@13429.21,12174.67 ; U1.D9@13414.35,12188.82 13428.5,12174.67 13428.96,12174.67 v1@13429.21,12174.67 ; U1.C9@13414.35,12220.31 13414.76,12220.73 13429.95,12220.73 v1(13431.1,12219.58) ; v1@13429.23,12174.69 v1(13429.71,12174.69) ; v1@13429.45,12174.42 v1@13429.21,12174.67 ; C21.1@13431.35,11744.2 13429.23,11746.32 C21.1@13429.23,11746.74 ; C21.1@13431.87,11744.1 C21.1@13429.23,11746.74 ; v1@13435.62,11859.78 13428.96,11853.13 13420.12,11844.29 13416.26,11844.29 U1.R9@13414.35,11842.36 13433.14,11823.57 13433.14,11804.22 13429.23,11800.31 v1(13429.23,11769.69) C21.1@13429.23,11746.74 ; v2(13588.1,12838.35) U23.H5@13603.56,12853.81 ; v2(13588.1,12869.84) U23.H6@13603.56,12885.3 ; v2(13619.41,12869.09) 13634.71,12853.81 U23.J5@13635.06,12853.81 ; U23.J6@13635.06,12885.3 13650.45,12869.91 v2(13650.6,12869.91) ; v2(13651.1,12838.35) U23.K5@13666.56,12853.81 ; v2(13683.13,12838.7) 13698.05,12853.62 U23.L5@13698.05,12853.81 ; v2(13734.69,11770.31) 13734.69,11746.83 C16.2@13729.74,11736.88 13769.26,11736.88 R3.2@13769.95,11737.57 ; C14.1@13775.06,11827.81 13815.44,11827.03 v1(13851,11862.59) 13851,11861.3 U2.R1@13869.94,11842.36 ; v1(13854.2,12236.06) U2.C1@13869.94,12220.32 ; U2.N1@13869.94,11905.36 13869.94,11906.31 13884.74,11921.11 v1(13885.68,11921.11) ; U2.F1@13869.94,12125.83 13871.77,12125.83 v1(13885.61,12139.62) ; U2.A1@13869.94,12283.31 v1(13885.69,12267.56) U2.B2@13901.43,12251.81 ; v1(13885.68,12047.09) U2.H2@13901.43,12062.84 ; v1(13886.05,12203.21) U2.D2@13898.23,12191.03 ; v2(13888.8,12704.84) 13901.45,12692.19 C6.2@13902.63,12680.77 ; U2.K2@13901.43,11999.84 v1(13917.17,11984.1) ; v1(14037.03,12094.34) U2.G7@14058.91,12094.33 ; v1(14074.66,12015.59) U2.K8@14090.41,11999.84 ; U2.A8@14090.41,12283.31 14100.96,12293.86 14100.96,12294.78 v1(14105.71,12299.53) v1@14105.51,12299.73 ; U2.R9@14121.9,11842.36 v1(14137.64,11826.62) 14167.61,11796.65 v1(14196.78,11796.65) ; U2.N9@14121.9,11905.36 14136.57,11890.68 v1(14136.57,11889.96) 14141.58,11884.95 v1(14197.61,11884.95) 14198.98,11886.32 C12.2@14218.69,11886.32 C12.2@14216.8,11884.43 ; U2.H9@14121.9,12062.84 14122.92,12061.82 14140.51,12061.82 v1(14141.52,12062.83) ; U2.D9@14121.9,12193.47 14131.97,12203.54 14137.85,12203.54 v1(14139.02,12204.71) ; U2.C9@14121.9,12220.32 14130.06,12220.32 14143.26,12233.52 v1(14143.26,12234.93) ; v2(14135.49,12466.01) 14141.93,12459.57 C5.2@14141.93,12436.87 ; v2(14194.77,12018.9) C11.2@14217.37,12018.59 ; v2(14198.88,12154.68) C15.1@14220.62,12154.68
  TOP w15: v2(13093.42,11717.8) C18.2@13126.99,11717.8 v2(13126.99,11685.74) ; v2(14025.51,11696.91) 14048.71,11720.11 C10.2@14057.53,11720.11 v2(14057.53,11684.6)
  BOTTOM w4: v1(13886.05,12203.21) 13886.05,12203.01 v1@13887.66,12201.4
  BOTTOM w10: v1(14142.66,12159.58) 14142.94,12159.3 14144.11,12159.3 v1@14144.75,12158.66
VDD-DLL: C1.2 U23.P3 | length 496
  TOP w3.7: U23.P3@13792.54,12790.81 13808.32,12775.04 v1(13808.32,12774.52)
  TOP w10: U23.P3@13792.54,12790.81 13792.54,12790.3 v1(13808.32,12774.52) ; v1(13931.7,12783.76) 13985.74,12783.76 13986.14,12784.16 v1(13987.27,12784.16) ; C1.2@14185.25,12692.55 14188.55,12695.86 v2(14188.55,12723.26)
  BOTTOM w10: v1(13808.32,12774.52) 13826.49,12792.69 13881.78,12792.69 13892.4,12782.08 13929.76,12782.08 13931.44,12783.76 v1(13931.7,12783.76) ; v1(13987.27,12784.16) 14127.65,12784.16 v2(14188.55,12723.26)
pads on no net: U2.J1 U2.J9 U2.L1 U2.L9 U23.A2 U23.A3 U23.A4 U23.A5 U23.A6 U23.A7 U23.A8 U23.A9 U23.A10 U23.A11 U23.A12 U23.A13 U23.A14 U23.A15 U23.A16 U23.A17 U23.B2 U23.B3 U23.B4 U23.B5 U23.B6 U23.B7 U23.B8 U23.B9 U23.B10 U23.B11 U23.B13 U23.B14 U23.B15 U23.B16 U23.B17 U23.C3 U23.C4 U23.C5 U23.C6 U23.C7 U23.C8 U23.C9 U23.C10 U23.C11 U23.C12 U23.C13 U23.C14 U23.C15 U23.C16 U23.C17 U23.D3 U23.D4 U23.D5 U23.D6 U23.D7 U23.D8 U23.D9 U23.D10 U23.D11 U23.D12 U23.D13 U23.D14 U23.D15 U23.D16 U23.D17 U23.E5 U23.E6 U23.E7 U23.E8 U23.E9 U23.E10 U23.E11 U23.E12 U23.E14 U23.E15 U23.E16 U23.E17 U23.F5 U23.F6 U23.F7 U23.F11 U23.F12 U23.F14 U23.F15 U23.F16 U23.F17 U23.G5 U23.G6 U23.G12 U23.G14 U23.G15 U23.G16 U23.G17 U23.H13 U23.H14 U23.H15 U23.H16 U23.H17 U23.J14 U23.J15 U23.J16 U23.J17 U23.K6 U23.K13 U23.K14 U23.K15 U23.K16 U23.K17 U23.L6 U23.L12 U23.L14 U23.L15 U23.L16 U23.L17 U23.M5 U23.M6 U23.M7 U23.M11 U23.M12 U23.M13 U23.M14 U23.M15 U23.M16 U23.M17 U23.N6 U23.N8 U23.N9 U23.N10 U23.N11 U23.N12 U23.N14 U23.N15 U23.N16 U23.N17 U23.P4 U23.P5 U23.P6 U23.P7 U23.P8 U23.P9 U23.P10 U23.P11 U23.P12 U23.P13 U23.P14 U23.P15 U23.P16 U23.P17 U23.R4 U23.R5 U23.R6 U23.R7 U23.R8 U23.R9 U23.R10 U23.R11 U23.R12 U23.R13 U23.R14 U23.R15 U23.R16 U23.R17 U23.T4 U23.T5 U23.T6 U23.T7 U23.T8 U23.T9 U23.T10 U23.T11 U23.T12 U23.T13 U23.T14 U23.T15 U23.T16 U23.T17 U23.U4 U23.U5 U23.U6 U23.U7 U23.U8 U23.U9 U23.U10 U23.U11 U23.U12 U23.U13 U23.U14 U23.U15 U23.U16 U23.U17
copper on no net: | length 412.9
  TOP w3.7: 13792.54,12822.31 13793.17,12822.31 v1(13808.72,12837.93) v1(13808.72,12837.93) ; 13792.54,12853.81 13792.92,12853.81 13808.59,12869.48 v1(13808.78,12869.48) ; 13792.54,12885.3 13792.54,12885.5 13807.79,12900.75 v1(13808.02,12900.75) ; 13792.54,12916.8 13792.85,12916.8 v1(13808.23,12932.17) ; 13824.04,12822.31 13825.59,12822.31 13840.03,12836.74 v1(13840.03,12838.08) ; 13824.04,12853.81 13825.05,12853.81 13840.28,12869.03 v1(13840.28,12869.48) ; 13824.04,12885.3 13824.57,12885.3 13839.28,12900.02 13839.28,12900.51 v1(13839.52,12900.75) ; 13824.04,12916.8 13824.04,12917.36 13837.61,12930.93 13838.01,12930.93 v1(13839.42,12932.34) ; 13887.03,12916.8 13890.64,12920.41
  TOP w4: 13509.07,12853.81 13509.07,12854.37 ; 13855.53,12822.31 13871.97,12805.87 13910.26,12805.87 13911.26,12806.88 13909.57,12806.88 13908.73,12806.04
  TOP w10: 13509.08,12853.81 13509.08,12854.36 ; v1(13714.25,12838.18) 13714.69,12838.61 13714.69,12838.95 13729.55,12853.81 ; 13729.55,12916.8 13744.07,12931.32 ; 13761.04,12885.3 13762.2,12885.3 13776.94,12870.56 v1(13776.94,12869.13)
  BOTTOM w4: v1@13779.15,12871.34 v1@13779.65,12871.34
  BOTTOM w10: v1(13714.25,12838.18) 13714.69,12838.61 13719.67,12838.61 13746.05,12864.99 13746.05,12870.02 v1(13776.66,12900.63) ; v1(13776.94,12869.13) v1@13779.15,12871.34

## Polygon pours and split planes (outlines as drawn)
VCC-DRAM on PWR03 "PWR03-VCC-DRAM" (solid, pour order 2): 12374.25,13792.38 14634.52,13792.38 14634.52,11086.9 12374.25,11086.9 12374.25,13792.38
GND on GND02 "GND02-GND" (solid, pour order 4): 12321.28,13837.05 14688.62,13837.05 14688.62,11041.72 12321.28,11041.72 12321.28,13837.05

## Other copper
GND02:
  drawing of 285 lines, arcs and shapes, not listed
PWR03:
  drawing of 303 lines, arcs and shapes, not listed

## Silkscreen, mask and mechanical layers (free items; w line width, h text height)
Top Overlay:
  drawing of 41732 lines, arcs and shapes, not listed
Mechanical 1:
  lines w1: 13369.59,12759.5 13369.59,13242.37 13984.2,13242.37 13984.2,12759.5 13369.59,12759.5
DIMENSION:
  lines w1: 8704.69,9764.15 8729.29,9606.67 ; 8704.69,9764.15 8753.9,9764.15 ; 8704.69,9764.15 8729.29,9606.67 ; 8704.69,9764.15 8753.9,9764.15 ; 8704.69,16490.85 8729.29,16648.33 ; 8704.69,16490.85 8753.9,16490.85 ; 8704.69,16490.85 8729.29,16648.33 ; 8704.69,16490.85 8753.9,16490.85 ; 8729.29,9606.67 8753.9,9764.15 ; 8729.29,9606.67 8729.29,12925.14 ; 8729.29,9606.67 8753.9,9764.15 ; 8729.29,9606.67 8729.29,12925.14 ; 8729.29,12925.14 8729.29,16648.33 ; 8729.29,12925.14 8729.29,16648.33 ; 8729.29,16648.33 8753.9,16490.85 ; 8729.29,16648.33 8753.9,16490.85 ; 9997.97,17692.16 10155.45,17716.77 ; 9997.97,17692.16 10155.45,17667.55 ; 9997.97,17692.16 13321.17,17692.16 ; 9997.97,17692.16 10155.45,17716.77 ; 9997.97,17692.16 10155.45,17667.55 ; 9997.97,17692.16 13321.17,17692.16 ; 10155.45,17667.55 10155.45,17716.77 ; 10155.45,17667.55 10155.45,17716.77 ; 12297.24,11821.88 12321.85,11664.4 ; 12297.24,11821.88 12346.45,11821.88 ; 12297.24,11821.88 12321.85,11664.4 ; 12297.24,11821.88 12346.45,11821.88 ; 12297.24,12545.45 12321.85,12702.93 ; 12297.24,12545.45 12346.45,12545.45 ; 12297.24,12545.45 12321.85,12702.93 ; 12297.24,12545.45 12346.45,12545.45 ; 12321.85,11664.4 12346.45,11821.88 ; 12321.85,11664.4 12321.85,12144.99 ; 12321.85,11664.4 12346.45,11821.88 ; 12321.85,11664.4 12321.85,12144.99 ; 12321.85,12144.99 12321.85,12702.93 ; 12321.85,12144.99 12321.85,12702.93 ; 12321.85,12702.93 12346.45,12545.45 ; 12321.85,12702.93 12346.45,12545.45 ; 12791.12,11816.67 12815.73,11659.19 ; 12791.12,11816.67 12840.33,11816.67 ; 12791.12,11816.67 12815.73,11659.19 ; 12791.12,11816.67 12840.33,11816.67 ; 12791.12,12546.35 12815.73,12703.83 ; 12791.12,12546.35 12840.33,12546.35 ; 12791.12,12546.35 12815.73,12703.83 ; 12791.12,12546.35 12840.33,12546.35 ; 12815.73,11659.19 12840.33,11816.67 ; 12815.73,11659.19 12815.73,12127.69 ; 12815.73,11659.19 12840.33,11816.67 ; 12815.73,11659.19 12815.73,12127.69 ; 12815.73,12127.69 12815.73,12703.83 ; 12815.73,12127.69 12815.73,12703.83 ; 12815.73,12703.83 12840.33,12546.35 ; 12815.73,12703.83 12840.33,12546.35 ; 13056.09,11424.57 13213.57,11449.17 ; 13056.09,11424.57 13213.57,11399.96 ; 13056.09,11424.57 13649.44,11424.57 ; 13056.09,11424.57 13213.57,11449.17 ; 13056.09,11424.57 13213.57,11399.96 ; 13056.09,11424.57 13649.44,11424.57 ; 13213.57,11399.96 13213.57,11449.17 ; 13213.57,11399.96 13213.57,11449.17 ; 13321.17,17692.16 16431.33,17692.16 ; 13321.17,17692.16 16431.33,17692.16 ; 13649.44,11424.57 14239.21,11424.57 ; 13649.44,11424.57 14239.21,11424.57 ; 14081.73,11399.96 14239.21,11424.57 ; 14081.73,11399.96 14081.73,11449.17 ; 14081.73,11399.96 14239.21,11424.57 ; 14081.73,11399.96 14081.73,11449.17 ; 14081.73,11449.17 14239.21,11424.57 ; 14081.73,11449.17 14239.21,11424.57 ; 16273.85,17667.55 16431.33,17692.16 ; 16273.85,17667.55 16273.85,17716.77 ; 16273.85,17667.55 16431.33,17692.16 ; 16273.85,17667.55 16273.85,17716.77 ; 16273.85,17716.77 16431.33,17692.16 ; 16273.85,17716.77 16431.33,17692.16 ; 8630.87,9606.67 10656.98,9606.67 8630.87,9606.67 ; 8630.87,16648.33 10275.89,16648.33 8630.87,16648.33 ; 9997.97,16555.04 9997.97,17790.59 9997.97,16555.04 ; 12717.3,11659.19 13468.51,11659.19 12717.3,11659.19 ; 12717.3,12703.83 13414.69,12703.83 12717.3,12703.83 ; 13056.09,11326.14 13056.09,11647.57 13056.09,11326.14 ; 14239.21,11326.14 14239.21,11649 14239.21,11326.14 ; 16431.33,16247.33 16431.33,17790.59 16431.33,16247.33
  text "163.4" at 13026.67,17754.66 h125
  text "163.4" at 13026.67,17754.66 h125
  text "178.9" at 8666.79,12630.64 h125 r90
  text "178.9" at 8666.79,12630.64 h125 r90
  text "26.4" at 12259.35,11912.49 h125 r90
  text "26.4" at 12259.35,11912.49 h125 r90
  text "26.5" at 12753.23,11895.19 h125 r90
  text "26.5" at 12753.23,11895.19 h125 r90
  text "30.1" at 13416.94,11487.07 h125
  text "30.1" at 13416.94,11487.07 h125
AUTOSILK_TOP:
  drawing of 41732 lines, arcs and shapes, not listed

## Text inside footprints (layer, text, board x,y; h text height)
C1: PIN_NUMBER "2" at 14175.17,12692.55 h25.2 r90; PIN_NUMBER "1" at 14175.17,12648.55 h25.2 r90; AUTOSILK_TOP "DC1" at 14248.64,12634.42 h20 r90; AUTOSILK_TOP "104" at 14195.05,12719.75 h25.2 r90; Top Overlay "104" at 14193.65,12640.5 h25.2 r90
C2: PIN_NUMBER "2" at 14084.86,12769.78 h25.2 r135; PIN_NUMBER "1" at 14115.97,12738.67 h25.2 r135; AUTOSILK_TOP "104" at 14082.63,12795.95 h25.2 r90; Top Overlay "104" at 14137.68,12738.92 h25.2 r135
C3: PIN_NUMBER "2" at 13097.93,12494.71 h25 r225; PIN_NUMBER "1" at 13142.48,12539.26 h25 r225; AUTOSILK_TOP "4.7uF" at 13059.85,12525.33 h31 r180; AUTOSILK_TOP "DC3" at 13065.38,12570.38 h20; Top Overlay "4.7uF" at 13060.89,12524.29 h31 r225
C4: PIN_NUMBER "2" at 13180.65,12608.78 h25.2 r270; PIN_NUMBER "1" at 13180.65,12652.78 h25.2 r270; AUTOSILK_TOP "DC4" at 13202.86,12682.55 h20 r90; AUTOSILK_TOP "1uF" at 13180.93,12581.58 h25.2 r270; Top Overlay "1uF" at 13182.33,12660.83 h25.2 r270
C5: PIN_NUMBER "2" at 14131.85,12436.87 h25.2 r90; PIN_NUMBER "1" at 14131.85,12392.87 h25.2 r90; AUTOSILK_TOP "DC5" at 14112.48,12372.01 h20 r90; AUTOSILK_TOP "1uF" at 14151.73,12464.07 h25.2 r90; Top Overlay "1uF" at 14150.33,12384.82 h25.2 r90
C6: PIN_NUMBER "2" at 13892.55,12680.77 h25.2 r180; PIN_NUMBER "1" at 13936.55,12680.77 h25.2 r180; AUTOSILK_TOP "DC6" at 13881.46,12605.83 h20; AUTOSILK_TOP "104" at 13875.43,12690.57 h25.2 r180; Top Overlay "104" at 13954.68,12689.17 h25.2 r180
C7: PIN_NUMBER "2" at 13260.11,12660.97 h25.2 r45; PIN_NUMBER "1" at 13228.99,12629.85 h25.2 r45; AUTOSILK_TOP "DC7" at 13276.69,12571.68 h20; AUTOSILK_TOP "104" at 13296.35,12673.27 h25.2; Top Overlay "104" at 13239.32,12618.22 h25.2 r45
C10: PIN_NUMBER "2" at 14047.53,11720.11 h25 r180; PIN_NUMBER "1" at 14110.53,11720.11 h25 r180; AUTOSILK_TOP "4.7uF" at 14027.03,11731.92 h31 r180; AUTOSILK_TOP "DC10" at 14042.63,11639.65 h20; Top Overlay "4.7uF" at 14027.03,11730.44 h31 r180
C11: PIN_NUMBER "2" at 14207.29,12018.59 h25.2 r270; PIN_NUMBER "1" at 14207.29,12062.59 h25.2 r270; AUTOSILK_TOP "DC11" at 14248.81,12021.5 h20; AUTOSILK_TOP "1uF" at 14207.57,11991.39 h25.2 r270; Top Overlay "1uF" at 14208.97,12070.64 h25.2 r270
C12: PIN_NUMBER "2" at 14208.61,11886.32 h25.2 r90; PIN_NUMBER "1" at 14208.61,11842.32 h25.2 r90; AUTOSILK_TOP "DC12" at 14244.61,11853.56 h20; AUTOSILK_TOP "1uF" at 14228.49,11913.52 h25.2 r90; Top Overlay "1uF" at 14227.09,11834.27 h25.2 r90
C13: PIN_NUMBER "1" at 14206.44,11796.39 h25.2 r270; PIN_NUMBER "2" at 14206.44,11752.39 h25.2 r270; AUTOSILK_TOP "DC13" at 14297.68,11837.15 h20 r270; AUTOSILK_TOP "104" at 14206.72,11725.19 h25.2 r270; Top Overlay "104" at 14208.12,11804.44 h25.2 r270
C14: PIN_NUMBER "1" at 13764.98,11827.81 h25.2 r270; PIN_NUMBER "2" at 13764.98,11783.81 h25.2 r270; AUTOSILK_TOP "DC14" at 13746.33,11792.51 h20 r90; AUTOSILK_TOP "104" at 13765.26,11756.61 h25.2 r270; Top Overlay "104" at 13766.66,11835.86 h25.2 r270
C15: PIN_NUMBER "1" at 14210.54,12154.68 h25.2 r270; PIN_NUMBER "2" at 14210.54,12110.68 h25.2 r270; AUTOSILK_TOP "DC15" at 14255.32,12114.72 h20; AUTOSILK_TOP "104" at 14210.82,12083.48 h25.2 r270; Top Overlay "104" at 14212.22,12162.73 h25.2 r270
C16: PIN_NUMBER "2" at 13719.66,11736.88 h25.2 r90; PIN_NUMBER "1" at 13719.66,11692.88 h25.2 r90; AUTOSILK_TOP "DC16" at 13746.02,11526.31 h20 r90; AUTOSILK_TOP "104" at 13739.54,11764.08 h25.2 r90; Top Overlay "104" at 13738.14,11684.83 h25.2 r90
C17: PIN_NUMBER "2" at 13840.93,11693.57 h25.2 r270; PIN_NUMBER "1" at 13840.93,11737.57 h25.2 r270; AUTOSILK_TOP "DC17" at 13867.76,11519.32 h20 r90; AUTOSILK_TOP "104" at 13841.21,11666.37 h25.2 r270; Top Overlay "104" at 13842.61,11745.62 h25.2 r270
C18: PIN_NUMBER "2" at 13116.99,11717.8 h25 r180; PIN_NUMBER "1" at 13179.99,11717.8 h25 r180; AUTOSILK_TOP "4.7uF" at 13096.49,11729.61 h31 r180; Top Overlay "4.7uF" at 13096.49,11728.13 h31 r180
C19: PIN_NUMBER "2" at 13062.34,11806.51 h25.2 r90; PIN_NUMBER "1" at 13062.34,11762.51 h25.2 r90; AUTOSILK_TOP "DC19" at 12979.92,11840.05 h20 r270; AUTOSILK_TOP "1uF" at 13082.22,11833.71 h25.2 r90; Top Overlay "1uF" at 13080.82,11754.46 h25.2 r90
C20: PIN_NUMBER "2" at 13198.57,12349.73 h25.2; PIN_NUMBER "1" at 13154.57,12349.73 h25.2; AUTOSILK_TOP "DC20" at 13136.14,12382.1 h20; AUTOSILK_TOP "1uF" at 13235.85,12339.93 h25.2; Top Overlay "1uF" at 13156.6,12341.33 h25.2
C21: PIN_NUMBER "1" at 13421.27,11744.2 h25.2 r180; PIN_NUMBER "2" at 13377.27,11744.2 h25.2 r180; AUTOSILK_TOP "DC21" at 13478.43,11728.9 h20; AUTOSILK_TOP "104" at 13360.15,11754 h25.2 r180; Top Overlay "104" at 13439.4,11752.6 h25.2 r180
C22: PIN_NUMBER "1" at 13060.62,12154.27 h25.2 r270; PIN_NUMBER "2" at 13060.62,12110.27 h25.2 r270; AUTOSILK_TOP "DC22" at 12930.06,12109.5 h20; AUTOSILK_TOP "104" at 13060.9,12083.07 h25.2 r270; Top Overlay "104" at 13062.3,12162.32 h25.2 r270
C23: PIN_NUMBER "1" at 13063.06,11892.3 h25.2 r270; PIN_NUMBER "2" at 13063.06,11848.3 h25.2 r270; AUTOSILK_TOP "DC23" at 12930.94,11858.41 h20; AUTOSILK_TOP "104" at 13063.34,11821.1 h25.2 r270; Top Overlay "104" at 13064.74,11900.35 h25.2 r270
C24: PIN_NUMBER "2" at 13062.27,12064.25 h25.2 r90; PIN_NUMBER "1" at 13062.27,12020.25 h25.2 r90; AUTOSILK_TOP "DC24" at 12931.33,12024.69 h20; AUTOSILK_TOP "104" at 13082.15,12091.45 h25.2 r90; Top Overlay "104" at 13080.75,12012.2 h25.2 r90
C25: PIN_NUMBER "2" at 14207.25,11973.85 h25.2 r90; PIN_NUMBER "1" at 14207.25,11929.85 h25.2 r90; AUTOSILK_TOP "DC25" at 14255.51,11941.51 h20; AUTOSILK_TOP "104" at 14227.13,12001.06 h25.2 r90; Top Overlay "104" at 14225.73,11921.81 h25.2 r90
R1: PIN_NUMBER "2" at 14008.15,12805.45 h25.2 r180; PIN_NUMBER "1" at 14052.15,12805.45 h25.2 r180; AUTOSILK_TOP "DR1" at 14079.58,12871.78 h20 r180; AUTOSILK_TOP "240-1%" at 13991.02,12815.25 h25.2 r180; Top Overlay "240-1%" at 14103.27,12813.85 h25.2 r180
R2: PIN_NUMBER "1" at 13619.76,12063.83 h25.2 r225; PIN_NUMBER "2" at 13588.64,12032.72 h25.2 r225; AUTOSILK_TOP "DR2" at 13625.07,11971.57 h20; AUTOSILK_TOP "NC/100R" at 13572.56,12020.42 h25.2 r180; Top Overlay "NC/100R" at 13660.7,12106.58 h25.2 r225
R3: PIN_NUMBER "2" at 13759.87,11737.57 h25.2 r90; PIN_NUMBER "1" at 13759.87,11693.57 h25.2 r90; AUTOSILK_TOP "DR3" at 13786.75,11535.61 h20 r90; AUTOSILK_TOP "2K-1%" at 13779.75,11764.77 h25.2 r90; Top Overlay "2K-1%" at 13778.35,11663.52 h25.2 r90
R4: PIN_NUMBER "2" at 13800.4,11693.91 h25.2 r270; PIN_NUMBER "1" at 13800.4,11737.91 h25.2 r270; AUTOSILK_TOP "DR4" at 13827.53,11532.1 h20 r90; AUTOSILK_TOP "2K-1%" at 13800.68,11666.71 h25.2 r270; Top Overlay "2K-1%" at 13802.08,11767.96 h25.2 r270
R5: PIN_NUMBER "2" at 13504.12,12590.8 h25.2; PIN_NUMBER "1" at 13460.12,12590.8 h25.2; AUTOSILK_TOP "0R/NC" at 13541.4,12581 h25.2; Top Overlay "0R/NC" at 13440.15,12582.4 h25.2
R6: PIN_NUMBER "2" at 13545.02,12592.54 h25.2 r180; PIN_NUMBER "1" at 13589.02,12592.54 h25.2 r180; AUTOSILK_TOP "NC/0R" at 13527.9,12602.34 h25.2 r180; Top Overlay "NC/0R" at 13629.15,12600.94 h25.2 r180
R7: PIN_NUMBER "1" at 13626.37,11942.25 h25.2 r270; PIN_NUMBER "2" at 13626.37,11898.25 h25.2 r270; AUTOSILK_TOP "NC/0R" at 13687.1,11827.4 h25.2 r180; Top Overlay "NC/0R" at 13628.05,11972.3 h25.2 r270
R8: PIN_NUMBER "1" at 13675.66,12131.95 h25.2; PIN_NUMBER "2" at 13719.66,12131.95 h25.2; AUTOSILK_TOP "NC/0R" at 13756.94,12122.15 h25.2; Top Overlay "NC/0R" at 13655.69,12123.55 h25.2
R9: PIN_NUMBER "2" at 13063.74,11979.62 h25.2 r90; PIN_NUMBER "1" at 13063.74,11935.62 h25.2 r90; AUTOSILK_TOP "DR9" at 12932.97,11938.61 h20; AUTOSILK_TOP "240-1%" at 13083.61,12006.82 h25.2 r90; Top Overlay "240-1%" at 13082.22,11894.57 h25.2 r90
R10: PIN_NUMBER "2" at 13422.01,11704.12 h25.2; PIN_NUMBER "1" at 13378.01,11704.12 h25.2; AUTOSILK_TOP "DR10" at 13470.66,11673.85 h20; AUTOSILK_TOP "NC/240-1%" at 13459.29,11694.32 h25.2; Top Overlay "NC/240-1%" at 13314.04,11695.72 h25.2
R11: PIN_NUMBER "2" at 14164.39,11710.43 h25.2 r180; PIN_NUMBER "1" at 14208.39,11710.43 h25.2 r180; AUTOSILK_TOP "DR11" at 14157.74,11634.76 h20; AUTOSILK_TOP "240-1%" at 14147.27,11720.23 h25.2 r180; Top Overlay "240-1%" at 14259.52,11718.83 h25.2 r180